# Allegro board F407_PACK_V10C.brd
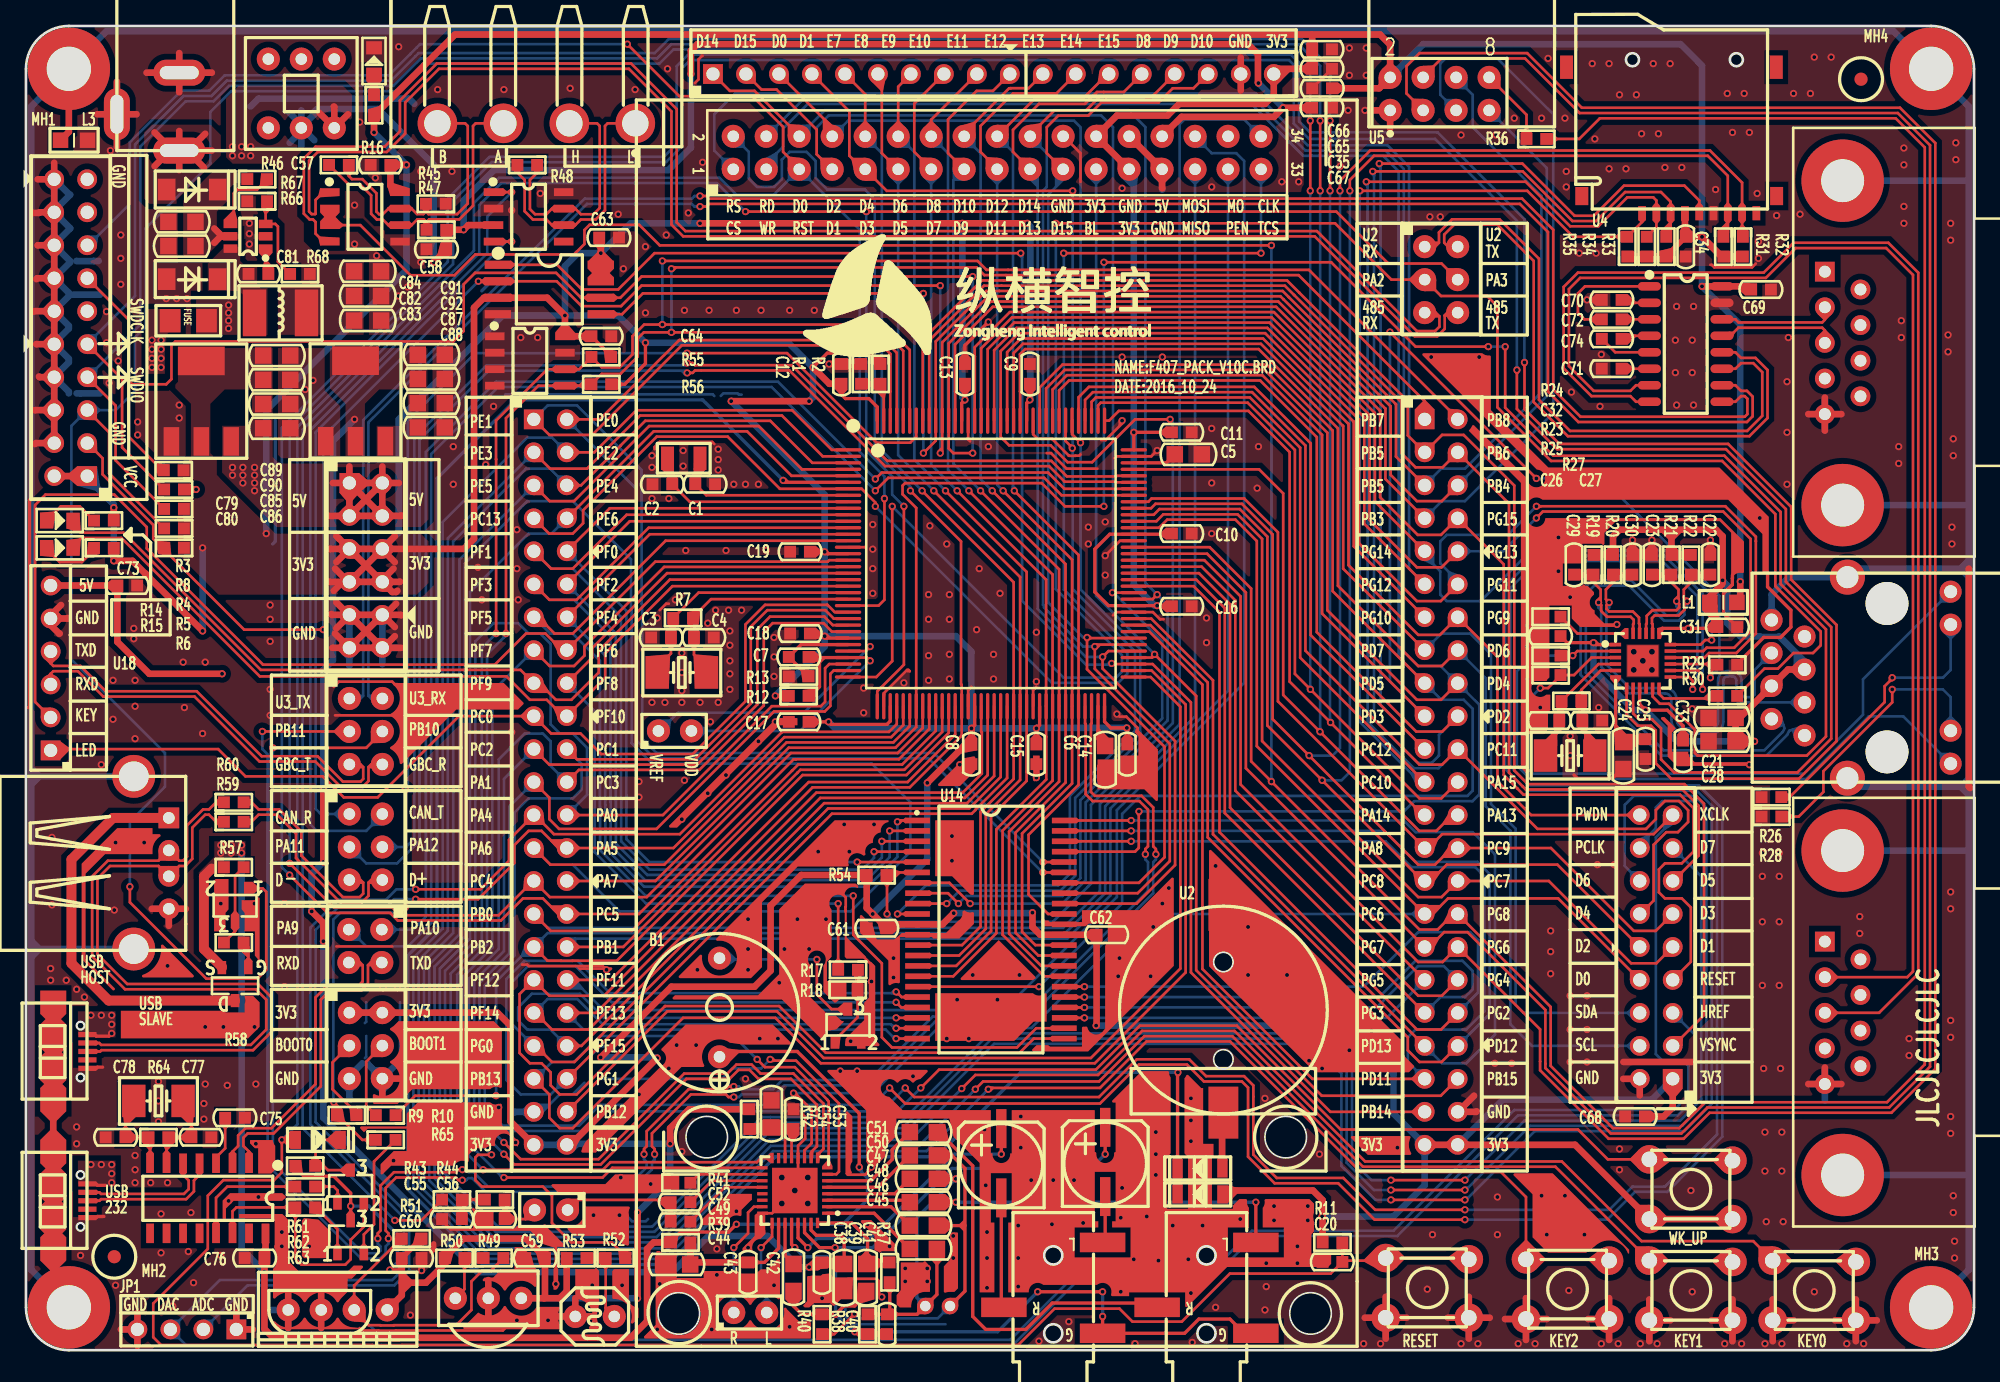
[diagram p0: board, top side]
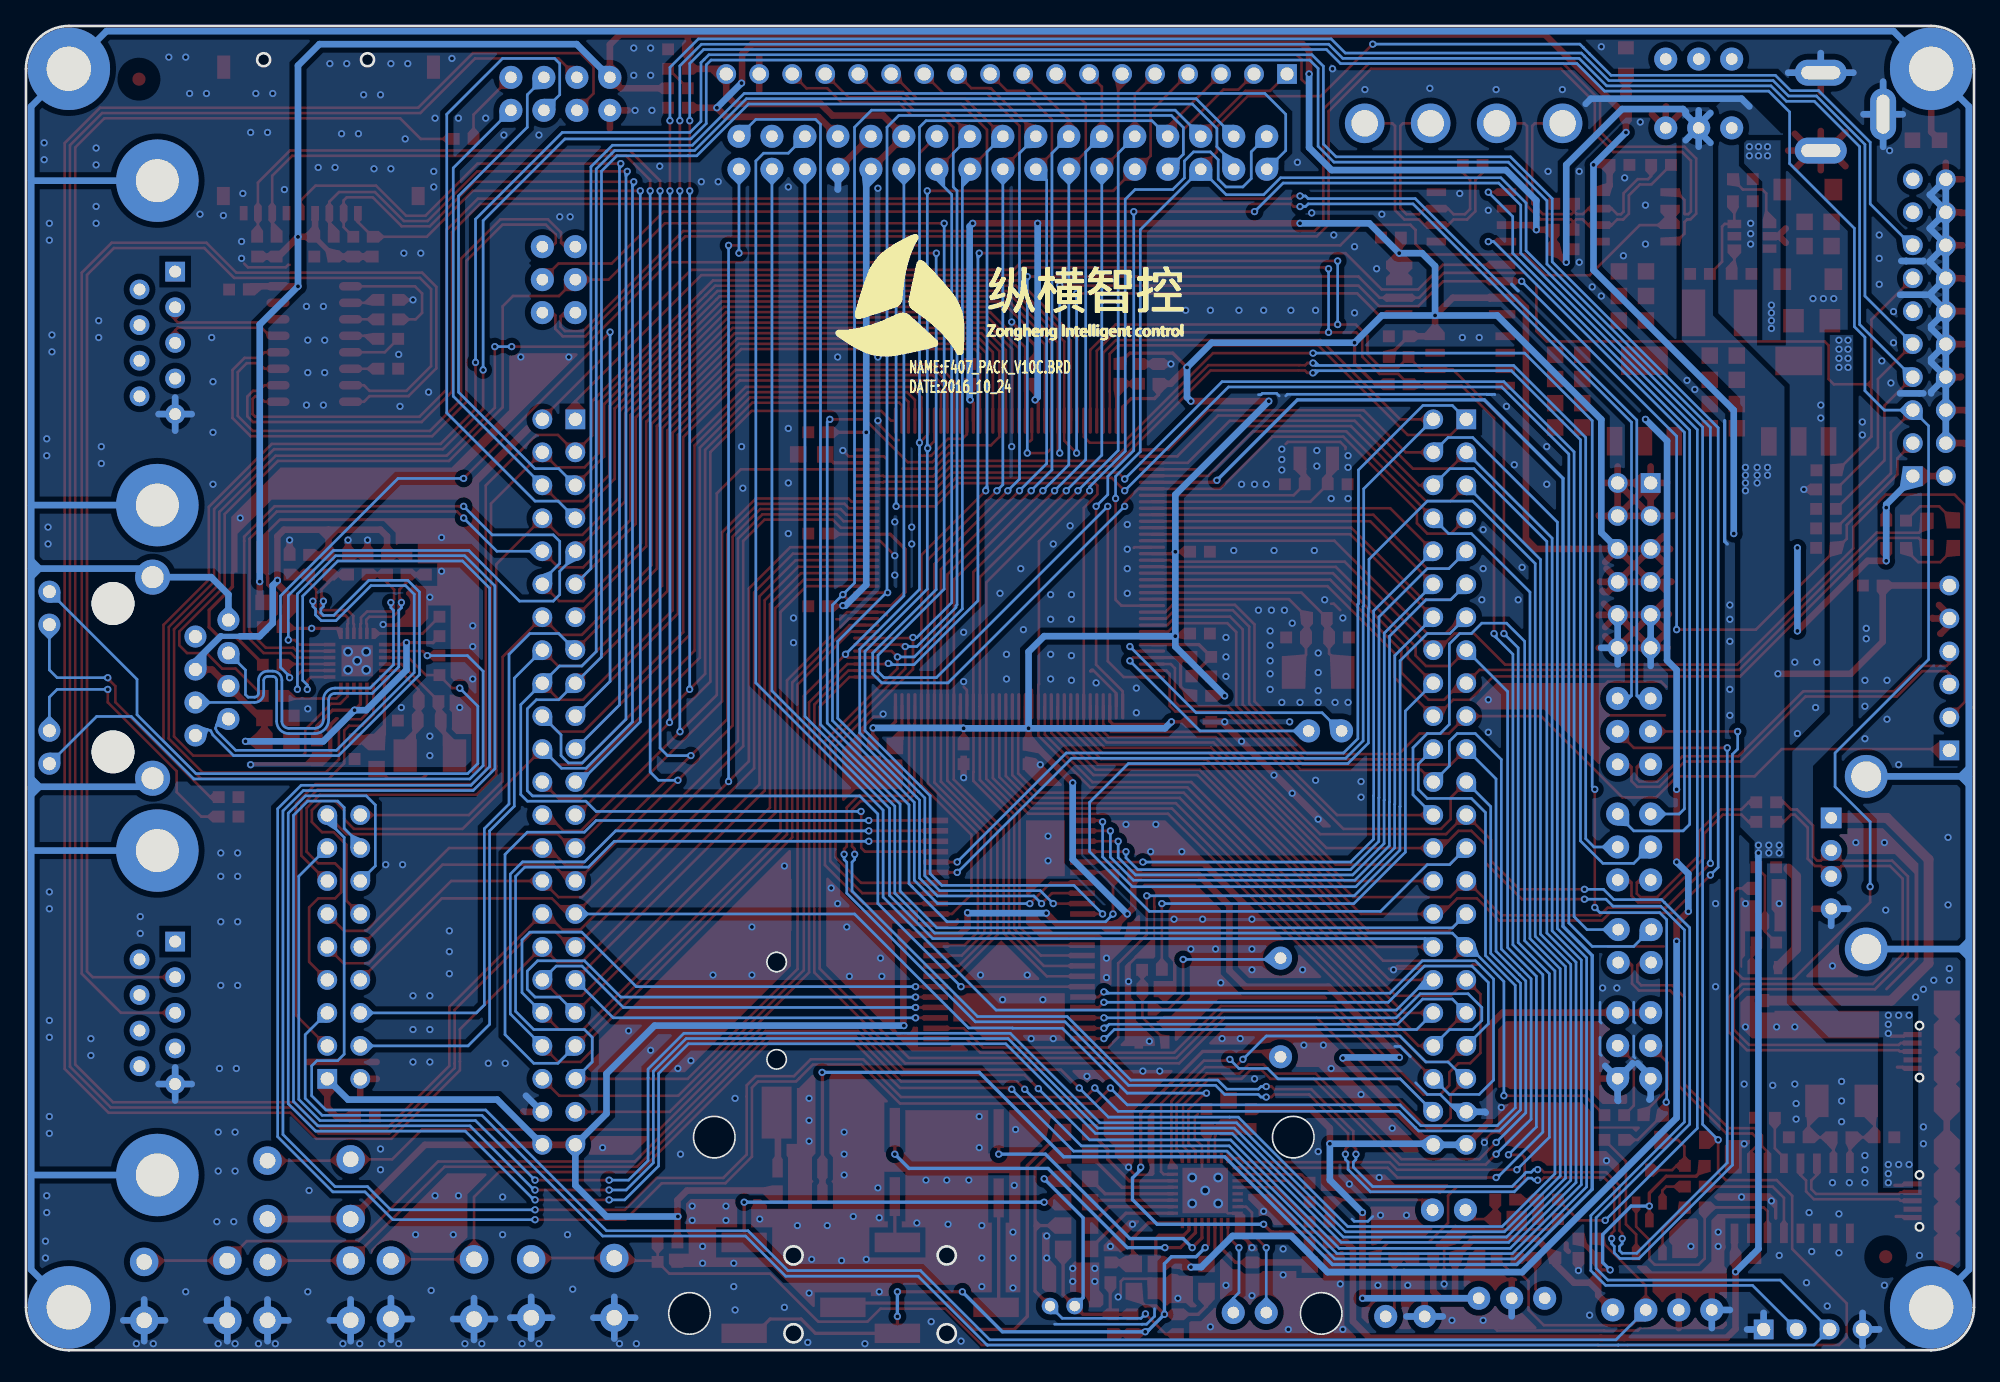
[diagram p1: board, bottom side, seen from below]

Outline 150 x 102 mm; copper layers: TOP, BOTTOM. Coordinates in mm from the lower left corner of the outline.
Outline path: 0,98.7 0,3.3 arc(0.97,0.97) 3.3,0 146.7,0 arc(149.03,0.97) 150,3.3 150,98.7 arc(149.03,101.03) 146.7,102 3.3,102 arc(0.97,101.03) 0,98.7

## Design rules (mm)
net group DIFFPAIR0: nets N16705916 N16706056
net group DIFFPAIR1: nets U3_232RX U3_232TX
net group DIFFPAIR2: nets U2_232RX U2_232TX
net group DP1: nets 485_A 485_B
net group DP2: nets CAN_RX CAN_TX
net group DP3: nets GBC_RX GBC_TX
net group DP4: nets RS485_RX RS485_TX
net group DP5: nets RXD TXD
net group DP6: nets TPRX+ TPRX-
net group DP7: nets TPTX+ TPTX-
net group DP8: nets U2_RX U2_TX
net group DP9: nets U3_RX U3_TX
net group DP11: nets USART3_RX USART3_TX
net group DP12: nets USB_D+ USB_D-
net group DP13: nets USB_DM USB_DP
net group DP14: nets CAN_H CAN_L
net group DP15: nets CH340_D+ CH340_D-

## Placement (name value [footprint] x y rotation side)
B1  BEEP  [BEEP_12X7R6]  53.4 22.6 90 top
C1  12pF_50V  [CC0603]  52.3 66.7 180 top
C2  12pF_50V  [CC0603]  49 66.7 0 top
C3  20pF_50V  [CC0603]  48.9 54.9 0 top
C4  20pF_50V  [CC0603]  52.2 54.9 180 top
C5  10uF_25V  [CC0805]  89.5 69 0 top
C6  10uF_25V  [CC0805]  83.1 45.5 270 top
C7  0.1uF_50V  [CC0603]  59.5 53.4 0 top
C8  0.1uF_50V  [CC0603]  72.8 45.9 90 top
C9  0.1uF_50V  [CC0603]  77.3 75.2 270 top
C10  0.1uF_50V  [CC0603]  89 62.9 180 top
C11  0.1uF_50V  [CC0603]  89 70.7 180 top
C12  0.1uF_50V  [CC0603]  62.8 75.2 270 top
C13  0.1uF_50V  [CC0603]  72.3 75.2 270 top
C14  0.1uF_50V  [CC0603]  84.8 45.9 90 top
C15  0.1uF_50V  [CC0603]  77.8 45.9 90 top
C16  0.1uF_50V  [CC0603]  89 57.3 180 top
C17  0.1uF_50V  [CC0603]  59.5 48.4 0 top
C18  0.1uF_50V  [CC0603]  59.6 55.2 0 top
C19  0.1uF_50V  [CC0603]  59.6 61.5 0 top
C20  0.1uF_50V  [CC0603]  100.6 6.8 180 top
C21  10uF_25V  [CC0805]  130.6 46.9 0 top
C22  10pF_50V  [CC0603]  129.7 60.5 90 top
C23  10pF_50V  [CC0603]  125.2 60.5 90 top
C24  10uF_25V  [CC0805]  123 45.8 270 top
C25  0.1uF_50V  [CC0603]  124.7 46.3 270 top
C26  20pF_50V  [CC0603]  117.3 48.5 0 top
C27  20pF_50V  [CC0603]  120.6 48.5 180 top
C28  10uF_25V  [CC0805]  130.6 48.7 180 top
C29  10pF_50V  [CC0603]  119.2 60.5 270 top
C30  10pF_50V  [CC0603]  123.7 60.5 270 top
C31  0.1uF_50V  [CC0603]  131 55.7 0 top
C32  0.1uF_50V  [CC0603]  117.4 55 180 top
C33  0.1uF_50V  [CC0603]  127.6 46.2 270 top
C34  0.1uF_50V  [CC0603]  127.8 85 270 top
C35  0.1uF_50V  [CC0603]  99.8 97.2 0 top
C36  220uF_10V_ED6R3  [CAP-ED6R3]  75.1 14.4 90 top
C37  220uF_10V_ED6R3  [CAP-ED6R3]  83.1 14.5 90 top
C38  0.1uF_50V  [CC0603]  61.3 6 270 top
C39  10uF_25V  [CC0805]  63 5.6 270 top
C40  220pF_50V  [CC0603]  66.3 2 270 top
C41  10uF_25V  [CC0805]  64.7 5.6 270 top
C42  10uF_25V  [CC0805]  59.1 5.6 90 top
C43  0.1uF_50V  [CC0603]  55.6 6 270 top
C44  10uF_25V  [CC0805]  50.1 6.6 180 top
C45  10uF_25V  [CC0805]  69.1 7.8 0 top
C46  10uF_25V  [CC0805]  69.1 9.6 0 top
C47  10uF_25V  [CC0805]  69.1 13.2 0 top
C48  10uF_25V  [CC0805]  69.1 11.4 0 top
C49  0.1uF_50V  [CC0603]  50.4 9.9 180 top
C50  10uF_25V  [CC0805]  69.1 15 0 top
C51  10uF_25V  [CC0805]  69.1 16.8 0 top
C52  0.1uF_50V  [CC0603]  50.4 11.4 180 top
C53  0.1uF_50V  [CC0603]  59.1 17.8 90 top
C54  10uF_25V  [CC0805]  57.4 18.2 90 top
C55  1nF_50V  [CC0603]  32.8 10.1 180 top
C56  0.1nF_50V  [CC0603]  36.1 10.1 180 top
C57  0.1uF_50V  [CC0603]  27.3 91.3 180 top
C58  0.1uF_50V  [CC0603]  31.6 84.8 0 top
C59  0.1uF_50V  [CC0603]  39.2 7.1 0 top
C60  0.1uF_50V  [CC0603]  29.7 7.1 180 top
C61  0.1uF_50V  [CC0603]  65.5 32.5 0 top
C62  0.1uF_50V  [CC0603]  83.2 32 0 top
C63  0.1uF_50V  [CC0603]  44.9 85.7 180 top
C64  0.1uF_50V  [CC0603]  44.3 78.1 180 top
C65  0.1uF_50V  [CC0603]  99.8 98.7 180 top
C66  0.1uF_50V  [CC0603]  99.8 100.2 180 top
C67  0.1uF_50V  [CC0603]  99.8 95.7 180 top
C68  0.1uF_50V  [CC0603]  123.9 18 0 top
C69  0.1uF_50V  [CC0603]  133.6 81.7 180 top
C70  0.1uF_50V  [CC0603]  122.1 80.9 0 top
C71  0.1uF_50V  [CC0603]  122.1 75.6 0 top
C72  0.1uF_50V  [CC0603]  122.1 79.4 0 top
C73  0.1uF_50V  [CC0603]  7.8 58.9 180 top
C74  0.1uF_50V  [CC0603]  122.1 77.9 180 top
C75  0.1uF_50V  [CC0603]  16.1 17.9 180 top
C76  0.1uF_50V  [CC0603]  17.6 7.1 0 top
C77  20pF_50V  [CC0603]  13.5 16.4 180 top
C78  20pF_50V  [CC0603]  6.9 16.4 0 top
C79  10uF_25V  [CC0805]  12.01 86.91 180 top
C80  10uF_25V  [CC0805]  12.01 85.05 180 top
C81  10nF_50V  [CC0603]  17.9 82.9 0 top
C82  10uF_25V  [CC0805]  26.3 81.2 0 top
C83  10uF_25V  [CC0805]  26.31 79.31 0 top
C84  10uF_25V  [CC0805]  26.3 83.1 0 top
C85  10uF_25V  [CC0805]  19.31 72.88 0 top
C86  10uF_25V  [CC0805]  19.31 71.01 0 top
C87  10uF_25V  [CC0805]  31.21 72.94 0 top
C88  10uF_25V  [CC0805]  31.21 71.08 0 top
C89  10uF_25V  [CC0805]  19.31 76.61 0 top
C90  10uF_25V  [CC0805]  19.31 74.74 0 top
C91  10uF_25V  [CC0805]  31.21 76.68 0 top
C92  10uF_25V  [CC0805]  31.21 74.81 0 top
D1  1N4148W  [SOD-123]  92 12 180 top
D2  1N4148W  [SOD-123]  92 14 180 top
D3  LED_RED  [LED0805]  2.6 63.9 0 top
D4  LED_RED  [LED0805]  2.6 61.8 0 top
D5  LED_RED  [LED0805]  26.8 99.3 90 top
D6  1N4148W  [SOD-123]  20.9 16.2 0 top
D7  SS14_DO-214AC  [DO-214AC]  12.8 89.4 180 top
D8  SS14_DO-214AC  [DO-214AC]  12.8 82.5 180 top
DC1  -  [DC005]  11.8 98.4 270 top
F1  nSMD100-16V  [FUSE1206]  12.5 79.3 0 top
J1  -  [HEADER23X2_2R54]  39.1 71.7 270 top
J2  -  [HEADER10X2_2R54]  4.71 67.33 90 top
J3  -  [HEADER23X2_2R54]  107.7 71.7 270 top
J4  -  [HEADER18X1_2R54]  52.9 98.3 0 top
J6  -  [HEADER2X2_2R54]  27.4 32.4 180 top
J7  HEADER1X2_2R54  [HEADER2X1_2R54]  48.7 47.7 0 top
J8  -  [HEADER3X2_2R54]  24.9 26 270 top
J9  -  [HR911105A]  143.3 51.8 270 top
J10  -  [HEADER2X1_2R54]  54.5 2.9 0 top
J11  -  [HEADER2X1_2R54]  41.7 10.8 180 top
J12  WJ2EDGRC-5.08-4P  [WJ2EDGRC-5R08-4P]  39.3 94.5 180 top
J13  TFTLCD  [TFTLCD_3R5]  95.1 93.5 270 top
J14  -  [OV2640]  126.8 20.9 90 top
J15  -  [DB9-F]  136.1 94.2 270 top
J16  -  [DB9-F]  136.1 42.6 270 top
J17  -  [HEADER3X2_2R54]  107.7 85 270 top
J18  -  [HEADER3X2_2R54]  24.9 50.2 270 top
J19  -  [HEADER3X2_2R54]  24.9 41.3 270 top
J20  -  [HEADER6X2_2R54]  24.9 66.8 270 top
JP1  -  [HEADER4X1_2R54]  16.2 1.6 180 top
L1  BEAD_BLM21PG600  [LC0805]  130.7 57.6 180 top
L2  4.7uH_CD4532_20%  [L4532-P]  19.6 79.9 0 top
L3  BEAD_BLM21PG600  [LC0805]  3.7 93.2 0 top
LS1  LIGHT SENSOR  [LIGHT-SENSOR]  43.8 2.6 0 top
MH1  Hold  [HOLD250D134]  3.3 98.7 0 top
MH2  Hold  [HOLD250D134]  3.3 3.3 0 top
MH3  Hold  [HOLD250D134]  146.7 3.3 0 top
MH4  Hold  [HOLD250D134]  146.7 98.7 0 top
MP1  MarkPoint  [MARKPOINT_R3]  6.8 7.2 0 top
MP2  MarkPoint  [MARKPOINT_R3]  141.3 97.9 0 top
NOREF  -  []  0.9 0 90 top
NOREF#2  -  []  0 0.2 0 top
NOREF#3  -  []  0 4.3 0 top
NOREF#4  -  []  0 7 0 top
NOREF#5  -  []  6.9 0 90 top
NOREF#6  -  []  5.7 0 90 top
Q1  S8050_SOT23_NPN  [SOT23_123]  63.3 25 0 top
Q2  SI2301CDS-T1-GE3_PMOS  [SOT23_GDS]  16.1 28.2 180 top
Q3  S8050_NPN  [SOT23_123]  16.1 34.3 180 top
Q4  S8050_NPN  [SOT23_123]  25 12.6 0 top
Q5  S8550_PNP  [SOT23_123]  25 8.7 0 top
R1  0R/NI  [RC0603]  64.3 75.2 90 top
R2  0R  [RC0603]  65.8 75.2 90 top
R3  10K  [RC0603]  11.37 67.77 0 top
R4  10K  [RC0603]  11.4 64.8 0 top
R5  10K  [RC0603]  11.4 63.3 0 top
R6  10K  [RC0603]  11.4 61.8 0 top
R7  1M  [RC0603]  50.6 56.4 0 top
R8  10K  [RC0603]  11.4 66.3 180 top
R9  10K  [RC0603]  24.7 18.1 0 top
R10  10K  [RC0603]  27.7 18.1 0 top
R11  10K  [RC0603]  100.6 8.3 0 top
R12  10R  [RC0603]  59.5 50.4 180 top
R13  0R  [RC0603]  59.5 51.9 180 top
R14  510R  [RC0603]  6 63.9 180 top
R15  510R  [RC0603]  6 61.8 180 top
R16  510R  [RC0603]  26.8 95.9 90 top
R17  1K  [RC0603]  63.3 29.3 0 top
R18  10K  [RC0603]  63.27 27.76 0 top
R19  49.9R  [RC0603]  120.7 60.5 270 top
R20  49.9R  [RC0603]  122.2 60.5 270 top
R21  49.9R  [RC0603]  126.7 60.5 270 top
R22  49.9R  [RC0603]  128.2 60.5 270 top
R23  10K  [RC0603]  117.4 53.5 0 top
R24  12.1K  [RC0603]  117.4 56.5 0 top
R25  10K  [RC0603]  117.4 52 0 top
R26  510R  [RC0603]  134.4 42.6 180 top
R27  1M  [RC0603]  119 50 0 top
R28  510R  [RC0603]  134.4 41.1 180 top
R29  510R  [RC0603]  131 52.8 0 top
R30  510R  [RC0603]  131 50.4 0 top
R31  4.7K  [RC0603]  130.7 85 90 top
R32  4.7K  [RC0603]  132.2 85 90 top
R33  4.7K  [RC0603]  126.3 85 270 top
R34  4.7K  [RC0603]  124.8 85 270 top
R35  4.7K  [RC0603]  123.3 85 270 top
R36  1K  [RC0603]  116.3 93.3 180 top
R37  680R  [RC0603]  66.5 6 90 top
R38  47K  [RC0603]  64.8 2 90 top
R39  0R  [RC0603]  50.4 8.3 180 top
R40  0R  [RC0603]  61.3 2 90 top
R41  10K  [RC0603]  50.4 12.9 180 top
R42  10R  [RC0603]  55.7 17.8 90 top
R43  4.7K  [RC0603]  32.8 11.6 0 top
R44  47K  [RC0603]  36.1 11.6 0 top
R45  4.7K  [RC0603]  31.56 88.31 0 top
R46  120R  [RC0603]  24.1 91.3 0 top
R47  4.7K  [RC0603]  31.6 86.3 180 top
R48  120R  [RC0603]  38.6 91.3 0 top
R49  1K  [RC0603]  36 7.1 180 top
R50  4.7K  [RC0603]  33 7.1 0 top
R51  4.7K  [RC0603]  29.7 8.6 180 top
R52  1K  [RC0603]  45.4 7.1 180 top
R53  4.7K  [RC0603]  42.4 7.1 180 top
R54  10K  [RC0603]  65.5 36.6 0 top
R55  4.7K  [RC0603]  44.3 76.5 180 top
R56  4.7K  [RC0603]  44.3 74.4 180 top
R57  10K  [RC0603]  16 37.2 180 top
R58  100K  [RC0603]  16 31.4 0 top
R59  10R  [RC0603]  16 40.7 180 top
R60  10R  [RC0603]  16 42.2 180 top
R61  10K  [RC0603]  21.5 14.2 0 top
R62  1K  [RC0603]  21.5 12.6 180 top
R63  1K  [RC0603]  21.5 11 180 top
R64  1M/NI  [RC0603]  10.2 16.4 180 top
R65  1K  [RC0603]  27.7 16.2 180 top
R66  9.53K  [RC0603]  17.8 88.5 0 top
R67  100K  [RC0603]  17.8 90.2 180 top
R68  49.9K  [RC0603]  21.1 82.9 0 top
SW1  RST  [SW-6X6X6]  107.9 4.8 90 top
SW2  BACK  [SW-6X6X6]  128.2 12.4 90 top
SW3  BACK  [SW-6X6X6]  137.7 4.6 90 top
SW4  BACK  [SW-6X6X6]  128.2 4.6 90 top
SW5  BACK  [SW-6X6X6]  118.7 4.7 90 top
U1  STM32F407ZGT6  [LQFP144]  74.3 60.6 0 top
U2  BATTERY  [CR1220]  92.2 26.3 270 top
U3  LAN8720A  [QFN-24]  124.5 53.1 0 top
U4  -  [TFCARD]  126.7 87.9 180 top
U5  -  [NRF24L01PACK]  110.5 106.6 0 top
U6  -  [EARPHONE]  79.1 3.5 180 top
U7  -  [MIC]  70.2 3.4 0 top
U8  -  [EARPHONE]  90.9 3.5 180 top
U9  WM8978  [QFN-32]  59.2 12.3 90 top
U10  MAX3485ESA  [SOIC8]  26.1 87.3 270 top
U11  TJA1050T/CM  [SOIC8]  38.7 87.3 270 top
U12  -  [HS0038B]  35.6 4 0 top
U13  DHT11&DS18B20  [DHT11]  24 3.1 0 top
U14  IS62WV51216BLL-55TLI  [TSOP-44]  74.3 32.4 0 top
U15  W25Q128FVSIG  [SOIC-8_208]  40.3 81.7 270 top
U16  AT24C512C-SSHM-T  [SOIC8]  38.8 76.2 270 top
U17  MAX3232ESE  [SOP-16]  127.8 77.5 270 top
U18  ATK MODULE  [ATK-MODULE]  1.9 46.2 90 top
U19  CH340G  [SOIC16]  14 11.7 180 top
U20  MP2359DJ-LF-Z  [SOT23-6]  17.1 85.8 90 top
U21  -  [SWITCH_6P]  21.2 96.8 0 top
U22  AMS1117-3.3  [SOT-223]  13.5 73.1 0 top
U23  AMS1117-3.3  [SOT-223]  25.38 73.12 0 top
USB1  -  [USB-MICRO]  4.8 23 270 top
USB2  -  [USB-A]  11 34 180 top
USB3  -  [USB-MICRO]  4.8 11.5 270 top
X1  XTAL_32768Hz_3215  [X-2P-3R2X1R5-SMD]  50.65 68.7 0 top
X2  XTAL_8MHz_5032  [X-2P-5R0X3R2-SMD]  50.5 52.2 180 top
X3  XTAL_25MHz_5032  [X-2P-5R0X3R2-SMD]  118.9 45.8 180 top
X4  XTAL_12MHz_5032  [X-2P-5R0X3R2-SMD]  10.2 19.2 0 top

## Library data of the parts
B1 = BEEP_HC12085P
C1-C4 C7-C19 C22 C23 C25-C27 C29-C35 C38 C40 C43 C49 C52 C53 C55-C78 = CAP NP
C5 C6 C20 C21 C24 C28 C39 C41 C42 C44-C48 C50 C51 C54 C79 C80 C82-C92 = C_Generic
C36 C37 = CAPT_100UF_3528_6r3V_10%_LXXXX
C81 = CAPACITOR NON-POL
D1 D2 D6-D8 = DIODE13_0
D3-D5 = LED_4
DC1 = DC005
F1 = FUSE
J1 J3 = CONN RCPT 23x2
J2 = CON20_3
J4 = CONN RCPT 18
J6 = CONN RCPT 2x2
J7 J10 J11 = CONN PLUG 2_0
J8 = CONN RCPT 3x2
J9 = HR911105A
J12 = WJ2EDGRC-5.08-4P
J13 = CONN RCPT 17x2_1
J14 = CONN RCPT 9x2
J15 J16 = DB9-F_3
J17-J19 = CONN PLUG 3x2_0
J20 = CONN RCPT 6X2
JP1 = HEADER 4_0
L1-L3 = IND_BEAD_0805_600OHM_200MA
LS1 = LED_1
MH1-MH4 = Hold_1
MP1 MP2 = MarkPoint
Q1 Q3 Q4 = L14G1/TO_1
Q2 = MOS P
Q5 = L14G1/TO_0
R1 R2 R8-R10 R12 R13 R36 = R_10k_0603
R3-R6 = R_10k_1
R7 R11 R14-R35 R37-R68 = R_Generic
SW1-SW5 = SWITCH-SPST-4P
U1 = STM32F407ZGT6_0
U2 = BATTERY
U3 = LAN8720A
U4 = TFCARD_1
U5 = NRF24L01PACK
U6 U8 = EARPHONE
U7 = MIC
U9 = WM8978
U10 = MAX3485ESA
U11 = TJA1050
U12 = HS0038
U13 = DHT11
U14 = IS61LV25626_0
U15 = W25Qxx
U16 = AT24C512
U17 = ADM202_0
U18 = ATK MODULE
U19 = CH340G
U20 = RT8259_0
U21 = SWITCH_6P
U22 U23 = AMS1117-3.3
USB1 USB3 = USB-MICRO
USB2 = USB-A_2
X1-X4 = XTAL_5032_0

## Footprints (pads in the part's own frame, mm; a bottom-side part is the same pattern mirrored in y, then rotated)
ATK-MODULE
  rect 1.524x1.524 hole 1.016: 1(0,0)
  round 1.524 hole 1.016: 2(2.54,0) 3(5.08,0) 4(7.62,0) 5(10.16,0) 6(12.7,0)
BEEP_12X7R6
  round 1.778 hole 0.889: 1(0,0) 2(7.6,0)
CAP-ED6R3
  rect 3x0.8 smd: 1(2.667,0) 2(-2.667,0)
CC0603
  rect 0.914x0.914 smd: 1(-0.762,0) 2(0.762,0)
CC0805
  rect 1.27x1.27 smd: 1(-1.041,0) 2(1.041,0)
CR1220
  rect 4x2.3 smd: 1(8,0) 2(-8,0)
DB9-F
  rect 1.524x1.524 hole 0.914: 1(11.125,2.413)
  round 1.524 hole 0.914: 2(13.868,2.413) 3(16.612,2.413) 4(19.355,2.413) 5(22.098,2.413) 6(12.497,5.156) 7(15.24,5.156) 8(17.983,5.156) 9(20.726,5.156)
  round 6.35 hole 3.302: 10(29.106,3.785) 11(4.117,3.785)
DC005
  oval 2x4 hole 1x3: 1(6,0) 2(0,0)
  oval 4x2 hole 3x1: 3(3.2,-4.8)
DHT11
  round 1.778 hole 0.889: 1(-3.81,0) 2(-1.27,0) 3(1.27,0) 4(3.81,0)
DO-214AC
  rect 1.36x1.67 smd: 1(1.965,0) 2(-1.965,0)
EARPHONE
  rect 3.5x1.5 smd: 1(3.8,0.2) 2(-3.8,-4.8) 3(-3.8,2.2)
FUSE1206
  rect 1.6x1.8 smd: 1(-1.4,0) 2(1.4,0)
HEADER2X1_2R54
  round 1.778 hole 0.889: 1(0,0) 2(2.54,0)
HEADER2X2_2R54
  round 1.778 hole 0.889: 1(0,0) 2(0,2.54) 3(2.54,0) 4(2.54,2.54)
HEADER3X2_2R54
  round 1.778 hole 0.889: 1(0,0) 2(0,2.54) 3(2.54,0) 4(2.54,2.54) 5(5.08,0) 6(5.08,2.54)
HEADER4X1_2R54
  rect 1.524x1.524 hole 1.016: 1(0,0)
  round 1.524 hole 1.016: 2(2.54,0) 3(5.08,0) 4(7.62,0)
HEADER6X2_2R54
  rect 1.524x1.524 hole 1.016: 1(0,0)
  round 1.524 hole 1.016: 2(0,2.54) 3(2.54,0) 4(2.54,2.54) 5(5.08,0) 6(5.08,2.54) 7(7.62,0) 8(7.62,2.54) 9(10.16,0) 10(10.16,2.54) 11(12.7,0) 12(12.7,2.54)
HEADER10X2_2R54
  rect 1.524x1.524 hole 1.016: 1(0,0)
  round 1.524 hole 1.016: 2(0,2.54) 3(2.54,0) 4(2.54,2.54) 5(5.08,0) 6(5.08,2.54) 7(7.62,0) 8(7.62,2.54) 9(10.16,0) 10(10.16,2.54) 11(12.7,0) 12(12.7,2.54) 13(15.24,0) 14(15.24,2.54) 15(17.78,0) 16(17.78,2.54) 17(20.32,0) 18(20.32,2.54) 19(22.86,0) 20(22.86,2.54)
HEADER18X1_2R54
  rect 1.524x1.524 hole 1.016: 1(0,0)
  round 1.524 hole 1.016: 2(2.54,0) 3(5.08,0) 4(7.62,0) 5(10.16,0) 6(12.7,0) 7(15.24,0) 8(17.78,0) 9(20.32,0) 10(22.86,0) 11(25.4,0) 12(27.94,0) 13(30.48,0) 14(33.02,0) 15(35.56,0) 16(38.1,0) 17(40.64,0) 18(43.18,0)
HEADER23X2_2R54
  rect 1.524x1.524 hole 1.016: 1(0,0)
  round 1.524 hole 1.016: 2(0,2.54) 3(2.54,0) 4(2.54,2.54) 5(5.08,0) 6(5.08,2.54) 7(7.62,0) 8(7.62,2.54) 9(10.16,0) 10(10.16,2.54) 11(12.7,0) 12(12.7,2.54) 13(15.24,0) 14(15.24,2.54) 15(17.78,0) 16(17.78,2.54) 17(20.32,0) 18(20.32,2.54) 19(22.86,0) 20(22.86,2.54) 21(25.4,0) 22(25.4,2.54) 23(27.94,0) 24(27.94,2.54) 25(30.48,0) 26(30.48,2.54) 27(33.02,0) 28(33.02,2.54) 29(35.56,0) 30(35.56,2.54) 31(38.1,0) 32(38.1,2.54) 33(40.64,0) 34(40.64,2.54) 35(43.18,0) 36(43.18,2.54) 37(45.72,0) 38(45.72,2.54) 39(48.26,0) 40(48.26,2.54) 41(50.8,0) 42(50.8,2.54) 43(53.34,0) 44(53.34,2.54) 45(55.88,0) 46(55.88,2.54)
HOLD250D134
  round 6.35 hole 3.404: 1(0,0)
HR911105A
  round 3.3 hole 3.3 unplated: (-5.715,0) (5.715,0)
  round 1.699 hole 1.001: 1(4.45,-6.35) 2(3.18,-8.89) 3(1.91,-6.35) 4(0.64,-8.89) 5(-0.63,-6.35) 6(-1.9,-8.89) 7(-3.17,-6.35) 8(-4.44,-8.89) 9(6.625,4.9) 10(4.085,4.9) 11(-4.085,4.9) 12(-6.625,4.9)
  round 2.7 hole 1.7: 13(7.745,-3.05) 14(-7.745,-3.05)
HS0038B
  round 1.778 hole 0.889: 1(-2.54,0) 2(0,0) 3(2.54,0)
L4532-P
  rect 1.8x3.6 smd: 1(-2,0) 2(2,0)
LC0805
  rect 1.194x1.194 smd: 1(-1.041,0) 2(1.041,0)
LED0805
  rect 1.016x1.219 smd: 1(-1.016,0) 2(1.016,0)
LIGHT-SENSOR
  round 1.778 hole 0.889: 1(-1.5,0) 2(1.5,0)
LQFP144
  oval 2.032x0.254 smd: 1(-11,8.75) 2(-11,8.25) 3(-11,7.75) 4(-11,7.25) 5(-11,6.75) 6(-11,6.25) 7(-11,5.75) 8(-11,5.25) 9(-11,4.75) 10(-11,4.25) 11(-11,3.75) 12(-11,3.25) 13(-11,2.75) 14(-11,2.25) 15(-11,1.75) 16(-11,1.25) 17(-11,0.75) 18(-11,0.25) 19(-11,-0.25) 20(-11,-0.75) 21(-11,-1.25) 22(-11,-1.75) 23(-11,-2.25) 24(-11,-2.75) 25(-11,-3.25) 26(-11,-3.75) 27(-11,-4.25) 28(-11,-4.75) 29(-11,-5.25) 30(-11,-5.75) 31(-11,-6.25) 32(-11,-6.75) 33(-11,-7.25) 34(-11,-7.75) 35(-11,-8.25) 36(-11,-8.75) 73(11,-8.75) 74(11,-8.25) 75(11,-7.75) 76(11,-7.25) 77(11,-6.75) 78(11,-6.25) 79(11,-5.75) 80(11,-5.25) 81(11,-4.75) 82(11,-4.25) 83(11,-3.75) 84(11,-3.25) 85(11,-2.75) 86(11,-2.25) 87(11,-1.75) 88(11,-1.25) 89(11,-0.75) 90(11,-0.25) 91(11,0.25) 92(11,0.75) 93(11,1.25) 94(11,1.75) 95(11,2.25) 96(11,2.75) 97(11,3.25) 98(11,3.75) 99(11,4.25) 100(11,4.75) 101(11,5.25) 102(11,5.75) 103(11,6.25) 104(11,6.75) 105(11,7.25) 106(11,7.75) 107(11,8.25) 108(11,8.75)
  oval 0.254x2.032 smd: 37(-8.75,-11) 38(-8.25,-11) 39(-7.75,-11) 40(-7.25,-11) 41(-6.75,-11) 42(-6.25,-11) 43(-5.75,-11) 44(-5.25,-11) 45(-4.75,-11) 46(-4.25,-11) 47(-3.75,-11) 48(-3.25,-11) 49(-2.75,-11) 50(-2.25,-11) 51(-1.75,-11) 52(-1.25,-11) 53(-0.75,-11) 54(-0.25,-11) 55(0.25,-11) 56(0.75,-11) 57(1.25,-11) 58(1.75,-11) 59(2.25,-11) 60(2.75,-11) 61(3.25,-11) 62(3.75,-11) 63(4.25,-11) 64(4.75,-11) 65(5.25,-11) 66(5.75,-11) 67(6.25,-11) 68(6.75,-11) 69(7.25,-11) 70(7.75,-11) 71(8.25,-11) 72(8.75,-11) 109(8.75,11) 110(8.25,11) 111(7.75,11) 112(7.25,11) 113(6.75,11) 114(6.25,11) 115(5.75,11) 116(5.25,11) 117(4.75,11) 118(4.25,11) 119(3.75,11) 120(3.25,11) 121(2.75,11) 122(2.25,11) 123(1.75,11) 124(1.25,11) 125(0.75,11) 126(0.25,11) 127(-0.25,11) 128(-0.75,11) 129(-1.25,11) 130(-1.75,11) 131(-2.25,11) 132(-2.75,11) 133(-3.25,11) 134(-3.75,11) 135(-4.25,11) 136(-4.75,11) 137(-5.25,11) 138(-5.75,11) 139(-6.25,11) 140(-6.75,11) 141(-7.25,11) 142(-7.75,11) 143(-8.25,11) 144(-8.75,11)
MARKPOINT_R3
  round 1.016 smd: 1(0,0)
MIC
  round 1.27 hole 0.8: 1(-0.95,0) 2(0.95,0)
NRF24L01PACK
  round 1.778 hole 0.889: 1(-5.46,-11.1) 2(-5.46,-8.56) 3(-2.92,-11.1) 4(-2.92,-8.56) 5(-0.38,-11.1) 6(-0.38,-8.56) 7(2.16,-11.1) 8(2.16,-8.56)
OV2640
  rect 1.524x1.524 hole 1.016: 1(0,0)
  round 1.524 hole 1.016: 2(0,2.54) 3(2.54,0) 4(2.54,2.54) 5(5.08,0) 6(5.08,2.54) 7(7.62,0) 8(7.62,2.54) 9(10.16,0) 10(10.16,2.54) 11(12.7,0) 12(12.7,2.54) 13(15.24,0) 14(15.24,2.54) 15(17.78,0) 16(17.78,2.54) 17(20.32,0) 18(20.32,2.54)
QFN-24
  rect 0.85x0.28 smd: 1(-2.1,1.25) 2(-2.1,0.75) 3(-2.1,0.25) 4(-2.1,-0.25) 5(-2.1,-0.75) 6(-2.1,-1.25) 13(2.1,-1.25) 14(2.1,-0.75) 15(2.1,-0.25) 16(2.1,0.25) 17(2.1,0.75) 18(2.1,1.25)
  rect 0.28x0.85 smd: 7(-1.25,-2.1) 8(-0.75,-2.1) 9(-0.25,-2.1) 10(0.25,-2.1) 11(0.75,-2.1) 12(1.25,-2.1) 19(1.25,2.1) 20(0.75,2.1) 21(0.25,2.1) 22(-0.25,2.1) 23(-0.75,2.1) 24(-1.25,2.1)
  rect 2.4x2.4 smd: 25(0,0)
QFN-32
  rect 0.25x0.8 smd: 1(-1.75,-2.5) 2(-1.25,-2.5) 3(-0.75,-2.5) 4(-0.25,-2.5) 5(0.25,-2.5) 6(0.75,-2.5) 7(1.25,-2.5) 8(1.75,-2.5) 17(1.75,2.5) 18(1.25,2.5) 19(0.75,2.5) 20(0.25,2.5) 21(-0.25,2.5) 22(-0.75,2.5) 23(-1.25,2.5) 24(-1.75,2.5)
  rect 0.8x0.25 smd: 9(2.5,-1.75) 10(2.5,-1.25) 11(2.5,-0.75) 12(2.5,-0.25) 13(2.5,0.25) 14(2.5,0.75) 15(2.5,1.25) 16(2.5,1.75) 25(-2.5,1.75) 26(-2.5,1.25) 27(-2.5,0.75) 28(-2.5,0.25) 29(-2.5,-0.25) 30(-2.5,-0.75) 31(-2.5,-1.25) 32(-2.5,-1.75)
  rect 3.5x3.5 smd: 33(0,0)
RC0603
  rect 0.914x0.914 smd: 1(-0.762,0) 2(0.762,0)
SOD-123
  rect 0.8x1.4 smd: 1(-0.127,0) 2(3.327,0)
SOIC8
  rect 0.6x1.5 smd: 1(-1.9,-2.7) 2(-0.63,-2.7) 3(0.64,-2.7) 4(1.91,-2.7) 5(1.91,2.7) 6(0.64,2.7) 7(-0.63,2.7) 8(-1.9,2.7)
SOIC16
  rect 0.6x1.5 smd: 1(-4.445,-2.7) 2(-3.175,-2.7) 3(-1.905,-2.7) 4(-0.635,-2.7) 5(0.635,-2.7) 6(1.905,-2.7) 7(3.175,-2.7) 8(4.445,-2.7) 9(4.445,2.7) 10(3.175,2.7) 11(1.905,2.7) 12(0.635,2.7) 13(-0.635,2.7) 14(-1.905,2.7) 15(-3.175,2.7) 16(-4.445,2.7)
SOIC-8_208
  rect 0.635x2.032 smd: 1(-1.905,-3.962) 2(-0.635,-3.962) 3(0.635,-3.962) 4(1.905,-3.962) 5(1.905,3.962) 6(0.635,3.962) 7(-0.635,3.962) 8(-1.905,3.962)
SOP-16
  oval 0.66x1.778 smd: 1(-4.445,-2.794) 2(-3.175,-2.794) 3(-1.905,-2.794) 4(-0.635,-2.794) 5(0.635,-2.794) 6(1.905,-2.794) 7(3.175,-2.794) 8(4.445,-2.794) 9(4.445,2.794) 10(3.175,2.794) 11(1.905,2.794) 12(0.635,2.794) 13(-0.635,2.794) 14(-1.905,2.794) 15(-3.175,2.794) 16(-4.445,2.794)
SOT23-6
  rect 0.65x1.06 smd: 1(-0.95,-1.354) 2(0,-1.354) 3(0.95,-1.354) 4(0.95,1.354) 5(0,1.354) 6(-0.95,1.354)
SOT23_123
  rect 0.66x1.016 smd: 1(-1.016,-1.27) 2(1.016,-1.27) 3(0,1.27)
SOT23_GDS
  rect 0.66x1.016 smd: 1(-1.016,-1.27) 2(1.016,-1.27) 3(0,1.27)
SOT-223
  rect 1.2x2.2 smd: 1(-2.3,-3.1) 2(0,-3.1) 3(2.3,-3.1)
  rect 3.6x2.2 smd: 4(0,3.1)
SW-6X6X6
  round 2.2 hole 1.2: 1(-2.3,3.2) 2(-2.3,-3.2) 3(2.3,3.2) 4(2.2,-3.2)
SWITCH_6P
  round 1.778 hole 0.889: 1(-2.54,-2.65) 2(0,-2.65) 3(2.54,-2.65) 4(2.54,2.65) 5(0,2.65) 6(-2.54,2.65)
TFCARD
  rect 0.6x1.1 smd: 1(2.26,0.32) 2(1.16,0.32) 3(0.06,0.32) 4(-1.04,0.32) 5(-2.14,0.32) 6(-3.24,0.32) 7(-4.34,0.32) 8(-5.44,0.32) 9(-6.54,0.32)
  rect 1x1.4 smd: 10(-8.1,-1) 13(6.9,-1)
  rect 1x1.8 smd: 11(-8.074,-10.922) 12(8.074,-10.922)
TFTLCD_3R5
  round 1.778 hole 0.889: 1(2.54,-40.64) 2(0,-40.64) 3(2.54,-38.1) 4(0,-38.1) 5(2.54,-35.56) 6(0,-35.56) 7(2.54,-33.02) 8(0,-33.02) 9(2.54,-30.48) 10(0,-30.48) 11(2.54,-27.94) 12(0,-27.94) 13(2.54,-25.4) 14(0,-25.4) 15(2.54,-22.86) 16(0,-22.86) 17(2.54,-20.32) 18(0,-20.32) 19(2.54,-17.78) 20(0,-17.78) 21(2.54,-15.24) 22(0,-15.24) 23(2.54,-12.7) 24(0,-12.7) 25(2.54,-10.16) 26(0,-10.16) 27(2.54,-7.62) 28(0,-7.62) 29(2.54,-5.08) 30(0,-5.08) 31(2.54,-2.54) 32(0,-2.54) 33(2.54,0) 34(0,0)
TSOP-44
  rect 1.905x0.432 smd: 1(-5.65,8.4) 2(-5.65,7.6) 3(-5.65,6.8) 4(-5.65,6) 5(-5.65,5.2) 6(-5.65,4.4) 7(-5.65,3.6) 8(-5.65,2.8) 9(-5.65,2) 10(-5.65,1.2) 11(-5.65,0.4) 12(-5.65,-0.4) 13(-5.65,-1.2) 14(-5.65,-2) 15(-5.65,-2.8) 16(-5.65,-3.6) 17(-5.65,-4.4) 18(-5.65,-5.2) 19(-5.65,-6) 20(-5.65,-6.8) 21(-5.65,-7.6) 22(-5.65,-8.4) 23(5.65,-8.4) 24(5.65,-7.6) 25(5.65,-6.8) 26(5.65,-6) 27(5.65,-5.2) 28(5.65,-4.4) 29(5.65,-3.6) 30(5.65,-2.8) 31(5.65,-2) 32(5.65,-1.2) 33(5.65,-0.4) 34(5.65,0.4) 35(5.65,1.2) 36(5.65,2) 37(5.65,2.8) 38(5.65,3.6) 39(5.65,4.4) 40(5.65,5.2) 41(5.65,6) 42(5.65,6.8) 43(5.65,7.6) 44(5.65,8.4)
USB-A
  rect 1.6x1.6 hole 0.9: 1(0,-7)
  round 1.6 hole 0.9: 2(0,-4.5) 3(0,-2.5) 4(0,0)
  round 3.3 hole 2.3: 5(2.7,3.1) 6(2.7,-10.2)
USB-MICRO
  rect 0.4x1.4 smd: 1(-1.31,-0.07) 2(-0.66,-0.07) 3(-0.01,-0.07) 4(0.64,-0.07) 5(1.29,-0.07)